# Allegro board Notecarrier-A PCB v2.0.brd
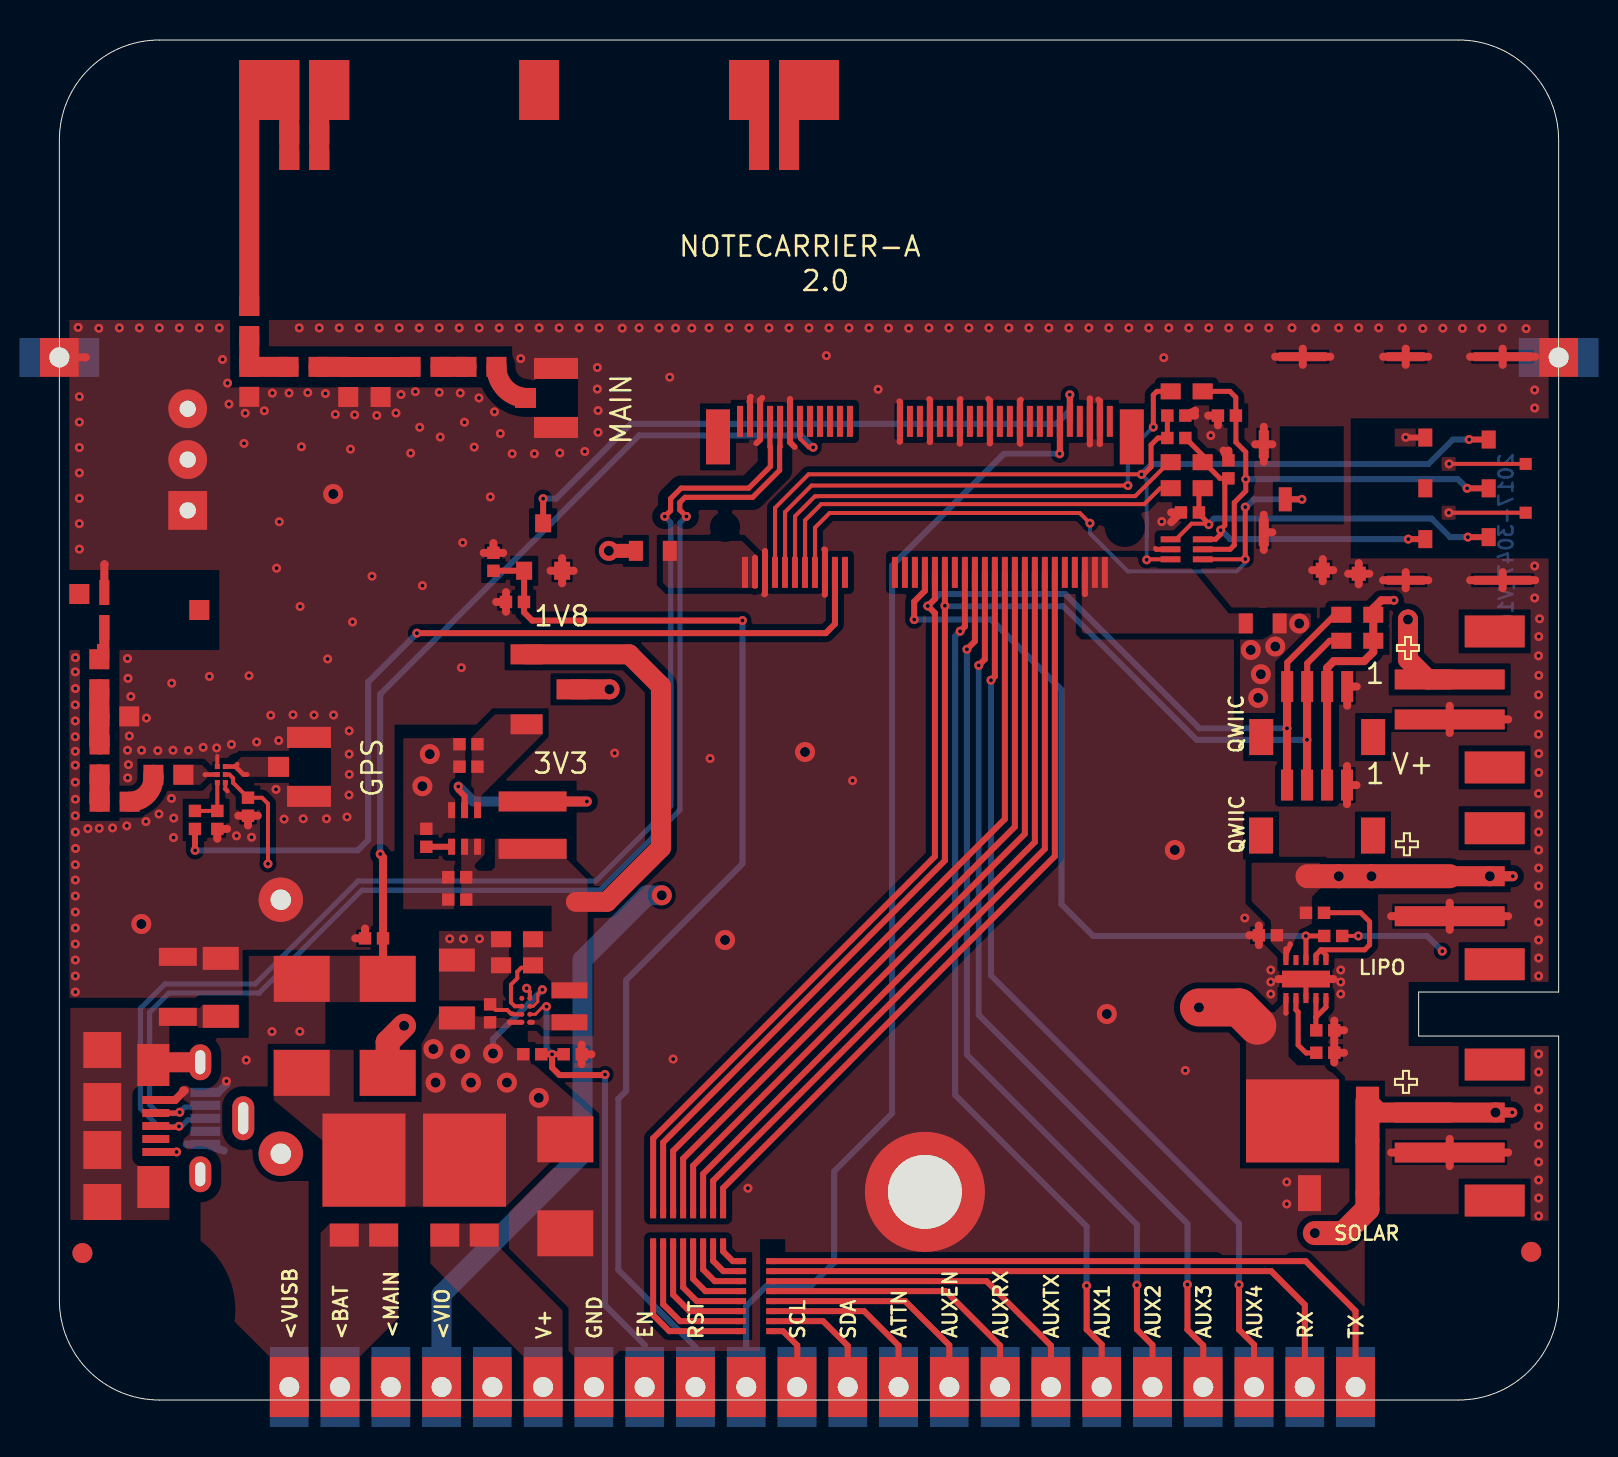
[diagram p0: board, top side]
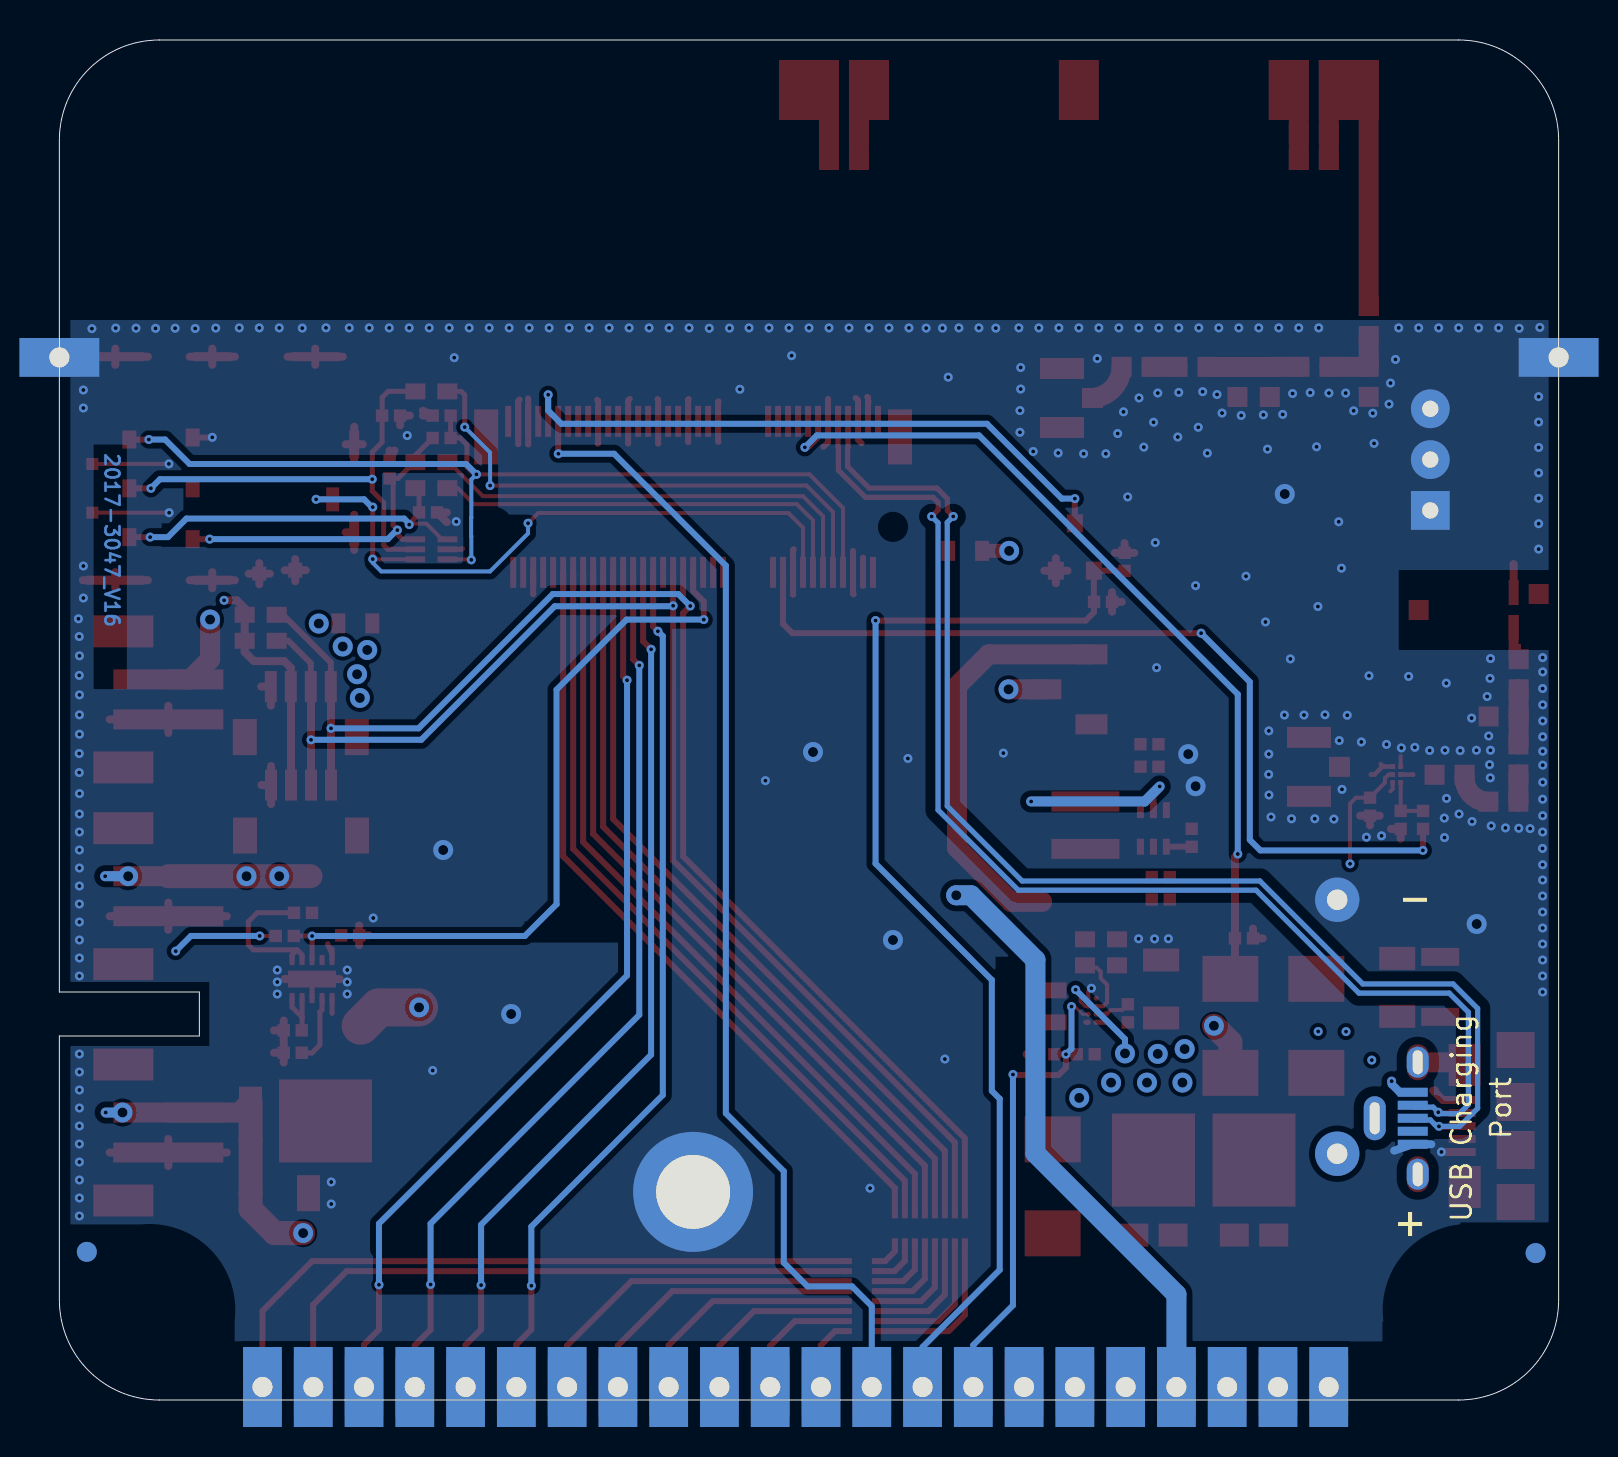
[diagram p1: board, bottom side, seen from below]

Outline 75 x 68 mm; copper layers: TOP, GND, POWER, BOTTOM. Coordinates in mm from the lower left corner of the outline.
Outline path: 0,63 arc(1.46,66.54) 5,68 70,68 arc(73.54,66.54) 75,63 75,20.4 68,20.4 68,18.2 75,18.2 75,5 arc(73.54,1.46) 70,0 5,0 arc(1.46,1.46) 0,5 0,63

## Design rules (mm)
constraint set DEFAULT: pair gap 0.2
net group USB_CON_EXT_90: nets USB_DM USB_DP
nets with their own width: min track width 1; nets GPS_50 GPS_50_A GPS_50_B GPS_50_C GPS_50_D GPS_50_E LTE_50 LTE_50_A LTE_50_B LTE_50_C LTE_50_D

## Placement (name value [footprint] x y rotation side)
ANT1  NN03-310  [ANT-NN03310-LTE]  24 65.5 0 top
ANT2  NN03-320  [ANT-NN03320-GPS]  4 39.5 90 top
BAT1  NU  [BATHLD-2464-NO_MECH]  37.48 27.24 180 bottom
C1  47u/16V-X5R  [CS-C-1206]  19.89 20.6 90 top
C2  4.7u/6.3V-X5R  [CS-C-0402]  21.55 19.33 90 top
C3  10u/10V-X5R  [CS-C-0603]  22.89 21.73 180 top
C4  10u/10V-X5R  [CS-C-0603]  22.89 23.04 180 top
C5  100n/16V  [CS-C-0402]  25.68 17.29 0 top
C6  100n/16V  [CS-C-0402]  20.46 32.79 180 top
C7  10u/6.3V-X5R  [CS-C-0402]  20.46 31.67 180 top
C8  10u/6.3V-X5R  [CS-C-0402]  19.9 25.02 180 top
C9  100n/16V  [CS-C-0402]  19.9 26.14 180 top
C10  100n/16V  [CS-C-0402]  15.74 23.08 180 top
C11  10n/1kV  [CS-C-1206]  8.07 20.68 90 top
C12  10u/25V-X5R  [CS-C-1206]  63.94 10.34 180 top
C13  1u/16V-X5R  [CS-C-0402]  60.46 23.24 180 top
C16  100n/16V  [CS-C-0402]  55.88 49.22 0 top
C17  33p/50V-C0G  [CS-C-0402]  58.41 49.22 180 top
C18  33p/50V-C0G  [CS-C-0402]  56.56 44.38 180 top
C19  33p/50V-C0G  [CS-C-0402]  58.48 46.53 90 top
C21  1n/50V  [FRACTUS-0404]  2.76 29.92 180 top
C22  1u/16V-X5R  [CS-C-0402]  9.44 29.66 270 top
C23  100n/16V  [CS-C-0402]  22.79 39.9 180 top
C25  0.5p/50V-C0G  [FRACTUS-0404]  12.25 62 180 top
C26  1p/50V-C0G  [FRACTUS-0404]  14.45 50.9 270 top
C27  2.2p/50V-C0G  [FRACTUS-0404]  12.21 51.66 0 top
C28  4.6p/50V-C0G  [FRACTUS-0404]  2.75 34.18 0 top
C29  1.1p/50V-C0G  [FRACTUS-0404]  2 36.29 90 top
DS2  FSV1045V  [TO277-3]  20.27 11 0 top
DS3  FSV1045V  [TO277-3]  15.24 11 0 top
DS4  STPS3H100U  [SMB]  12.12 16.36 90 top
DS5  STPS3H100U  [SMB]  16.42 16.36 90 top
DS6  FSV1045V  [TO277-3]  62.69 13.96 90 top
F1  SF-0603F150-2  [FS-0603]  29.69 42.46 0 top
F2  3.5A/32V  [FS-0603]  60.2 38.83 180 top
FID1  TPS  [FIDUCIAL]  1.15 7.35 0 top
FID2  TPS  [FIDUCIAL]  73.63 7.41 0 top
FID3  TPS  [FIDUCIAL]  1.15 7.35 270 bottom
FID4  TPS  [FIDUCIAL]  73.63 7.41 270 bottom
J2  NU  [J-5-0065-FDS-UUSB1051330001]  7.05 14.09 270 bottom
J3  B2B-PH-SM4-TBT(LF)(SN)  [J-2-0200-MDS-B2B-PH-SM4]  69.55 11.37 270 top
J4  B2B-PH-SM4-TBT(LF)(SN)  [J-2-0200-MDS-B2B-PH-SM4]  69.55 23.19 270 top
J5  NanoSIM - SF72S006VBAR2500  [J-NANOSIM-SF72S006VBA]  61.33 45.03 90 top
J6  MDT420E01001  [J-75-0050-MOS-M2-E]  43.3 43.66 0 top
J7  uFL-R-SMT-1-10  [J-3-MDS-UFL]  24.84 50.1 270 top
J8  uFL-R-SMT-1-10  [J-3-MDS-UFL]  12.49 31.66 270 top
J9  12734  [J-22-0254-FDT-H0508_EDGE]  38.17 1.3 0 top
J10  00711  [J-3-0254-FDT-H0508]  6.42 47.02 90 top
J11  10118192-0002LF  [J-5-0065-FOS-USB10118192-NOF]  4.7 13.7 270 top
J12  B2B-PH-SM4-TBT(LF)(SN)  [J-2-0200-MDS-B2B-PH-SM4]  69.55 33.03 270 top
J13  BM04B-SRSS-TBT  [J-4-0100-MDS-SH]  64.41 30.75 180 top
J14  BM04B-SRSS-TBT  [J-4-0100-MDS-SH]  64.42 35.67 180 top
L1  XFL4020-222MEC  [LS-XFL4020]  23.67 28.74 270 top
L2  1285AS-H-2R2M=P2  [LS-0806]  25.52 19.68 90 top
L5  LQW15AN7N5H00D  [FRACTUS-0404]  5.45 31.26 180 top
L6  LQW18AN12NG80  [FRACTUS-0404]  12.25 63.32 0 top
L7  LQW18AN10NG80D  [FRACTUS-0404]  16.07 50.9 270 top
L8  LQW18AN8N4G80D  [FRACTUS-0404]  9.5 50.91 270 top
L9  LQW15AN2N3G80D  [FRACTUS-0404]  9.5 53.95 90 top
NOREF  -  [unnamed]  4.5 63.5 0 top
NOREF#2  -  [#2]  69.55 34.03 90 top
NOREF#3  -  [#2]  13.16 9.67 90 top
NOREF#4  -  [#2]  9 52.7 90 top
NOREF#5  -  [#2]  57.69 50.03 90 top
NOREF#6  -  [#2]  41.45 10.41 0 top
NOREF#7  -  [#2]  59.52 32.25 0 top
NOREF#8  -  [#2]  63.38 46.36 0 top
NOREF#9  -  [#2]  13.95 51.15 90 top
NOREF#10  -  [#2]  20.27 11 90 top
NOREF#11  -  [#2]  63.11 9.44 90 top
NOREF#12  -  [#2]  11.54 32.76 0 top
NOREF#13  -  [#2]  20.27 29.49 0 top
NOREF#14  -  [#2]  13.95 50.65 0 top
NOREF#15  -  [#2]  35.5 62.5 0 top
NOREF#16  -  [#2]  0 58.58 0 top
NOREF#17  -  [#2]  59.51 27.32 0 top
NOREF#18  -  [#2]  22.02 41.15 90 top
NOREF#19  -  [#2]  57.05 38.06 90 top
NOREF#20  -  [#2]  8.65 21.18 90 top
NOREF#21  -  [#2]  3.01 29.42 90 top
NOREF#22  -  [#2]  5.8 14.5 0 top
NOREF#23  -  [#2]  4.2 31.76 0 top
NOREF#24  -  [#2]  9 51.16 0 top
NOREF#25  -  [#2]  68.33 48.12 0 top
NOREF#26  -  [#2]  68.68 32.71 90 top
NOREF#27  -  [#2]  61.72 34.9 90 top
NOREF#28  -  [#2]  68.68 32.71 90 top
NOREF#29  -  [#2]  57.2 42.53 90 top
NOREF#30  -  [#2]  71.5 43.14 90 top
NOREF#31  -  [#2]  13.44 32.76 0 top
NOREF#32  -  [#2]  68.83 4.5 0 top
NOREF#33  -  [#2]  55.74 47.79 90 top
NOREF#34  -  [#2]  57.69 45.19 90 top
NOREF#35  -  [#2]  64.12 34.9 0 top
NOREF#36  -  [#2]  15.29 23.08 0 top
NOREF#37  -  [#2]  56.69 47.29 0 top
NOREF#38  -  [#2]  61.69 12.96 90 top
NOREF#39  -  [#2]  64.48 22.89 90 top
NOREF#40  -  [#2]  18.36 27.66 90 top
NOREF#41  -  [#2]  53.05 49.53 0 top
NOREF#42  -  [#2]  -0.97 50.13 0 top
NOREF#43  -  [#2]  7.05 11.29 90 top
NOREF#44  -  [#2]  63.35 37.78 90 top
NOREF#45  -  [#2]  70.05 9.62 90 top
NOREF#46  -  [#2]  8.56 47.02 0 top
NOREF#47  -  [#2]  70.05 31.28 90 top
NOREF#48  -  [#2]  7.9 28.55 90 top
NOREF#49  -  [#2]  22.09 21.73 0 top
NOREF#50  -  [#2]  7.3 14.74 90 top
NOREF#51  -  [#2]  21.59 23.43 0 top
NOREF#52  -  [#2]  74.5 52.13 0 top
NOREF#53  -  [#2]  48.55 48.93 0 top
NOREF#54  -  [#2]  55.59 45.59 0 top
NOREF#55  -  [#2]  69.42 32.25 90 top
NOREF#56  -  [#2]  60.73 44.71 90 top
NOREF#57  -  [#2]  1.51 30.42 0 top
NOREF#58  -  [#2]  3.2 13.15 90 top
NOREF#59  -  [#2]  60.25 43.38 0 top
NOREF#60  -  [#2]  68.23 32.71 0 top
NOREF#61  -  [#2]  9 50.66 0 top
NOREF#62  -  [#2]  34.5 61.5 90 top
NOREF#63  -  [#2]  60.32 22.93 90 top
NOREF#64  -  [#2]  65.23 39.66 0 top
NOREF#65  -  [#2]  57.05 32.71 90 top
NOREF#66  -  [#2]  63.19 17.05 90 top
NOREF#67  -  [#2]  62.57 17.67 0 top
NOREF#68  -  [#2]  8.07 19.18 90 top
NOREF#69  -  [#2]  28.49 41.96 0 top
NOREF#70  -  [#2]  65.44 12.97 90 top
NOREF#71  -  [#2]  18.56 7.67 90 top
NOREF#72  -  [#2]  5.47 18.21 90 top
NOREF#73  -  [#2]  69.05 31.28 0 top
NOREF#74  -  [#2]  68.68 32.71 90 top
NOREF#75  -  [#2]  22.03 40.21 0 top
NOREF#76  -  [#2]  70 0 90 top
NOREF#77  -  [#2]  4.5 4.5 0 top
NOREF#78  -  [#2]  66.23 37.56 90 top
NOREF#79  -  [#2]  20.46 21.1 90 top
NOREF#80  -  [#2]  58.17 47.29 0 top
NOREF#81  -  [#2]  15.6 22.77 90 top
NOREF#82  -  [#2]  61.69 12.96 90 top
NOREF#83  -  [#2]  63.35 27.94 90 top
NOREF#84  -  [#2]  7.05 11.29 90 top
NOREF#85  -  [#2]  70.05 21.44 90 top
NOREF#86  -  [#2]  33.05 7.58 0 top
NOREF#87  -  [#2]  30.89 41.96 90 top
NOREF#88  -  [#2]  10.96 51.16 0 top
NOREF#89  -  [#2]  4.45 10.2 0 top
NOREF#90  -  [#2]  0.6 12.9 90 top
NOREF#91  -  [#2]  19.45 26.14 0 top
NOREF#92  -  [#2]  7.05 11.69 90 top
NOREF#93  -  [#2]  64.13 37.96 0 top
NOREF#94  -  [#2]  68.68 38.06 90 top
NOREF#95  -  [#2]  6.47 28.86 0 top
NOREF#96  -  [#2]  56.42 44.07 90 top
NOREF#97  -  [#2]  62.67 24.05 90 top
NOREF#98  -  [#2]  2.83 4.5 0 top
NOREF#99  -  [#2]  57.05 32.71 90 top
NOREF#100  -  [#2]  20.32 31.36 90 top
NOREF#101  -  [#2]  37.48 26.73 90 top
NOREF#102  -  [#2]  58.98 46.36 0 top
NOREF#103  -  [#2]  63.36 20.1 90 top
NOREF#104  -  [#2]  59.52 32.25 0 top
NOREF#105  -  [#2]  34.5 62.82 90 top
NOREF#106  -  [#2]  34.5 61.5 0 top
NOREF#107  -  [#2]  61.4 38.33 90 top
NOREF#108  -  [#2]  57.41 42.81 90 top
NOREF#109  -  [#2]  9.4 9.7 90 top
NOREF#110  -  [#2]  10.97 14.96 90 top
NOREF#111  -  [#2]  59.7 39.33 0 top
NOREF#112  -  [#2]  14.25 8.25 0 top
NOREF#113  -  [#2]  63.35 16.12 90 top
NOREF#114  -  [#2]  11.99 29.61 0 top
NOREF#115  -  [#2]  12.12 16.36 90 top
NOREF#116  -  [#2]  71 27.09 0 top
NOREF#117  -  [#2]  6.42 44.48 90 top
NOREF#118  -  [#2]  71.5 45.58 90 top
NOREF#119  -  [unnamed]  70.5 63.5 0 top
NOREF#120  -  [#2]  23.13 18.89 0 top
NOREF#121  -  [#2]  0 10.2 0 top
NOREF#122  -  [#2]  56.69 50.83 0 top
NOREF#123  -  [#2]  64.71 12.4 0 top
NOREF#124  -  [#2]  8.12 14.59 0 top
NOREF#125  -  [#2]  60.71 27.32 90 top
NOREF#126  -  [#2]  19.76 25.83 90 top
NOREF#127  -  [#2]  57.05 32.71 90 top
NOREF#128  -  [#2]  23.54 19.96 90 top
NOREF#129  -  [#2]  12.5 61.5 0 top
NOREF#130  -  [#2]  13.95 51.15 0 top
NOREF#131  -  [#2]  16.22 8.25 90 top
NOREF#132  -  [#2]  35.5 63.82 0 top
NOREF#133  -  [#2]  18.05 27.97 0 top
NOREF#134  -  [#2]  29.55 9.08 90 top
NOREF#135  -  [#2]  26.72 18.79 90 top
NOREF#136  -  [#2]  6.25 11.94 0 top
NOREF#137  -  [#2]  15.57 51.15 90 top
NOREF#138  -  [#2]  13.16 14.32 0 top
NOREF#139  -  [unnamed]  70.5 4.5 0 top
NOREF#140  -  [#2]  26.44 16.98 90 top
NOREF#141  -  [#2]  21.71 41.46 90 top
NOREF#142  -  [#2]  63.27 23.2 0 top
NOREF#143  -  [#2]  21.55 18.88 90 top
NOREF#144  -  [#2]  5.7 30.76 0 top
NOREF#145  -  [#2]  68.85 63.49 0 top
NOREF#146  -  [#2]  55.43 49.22 0 top
NOREF#147  -  [#2]  29.7 7.83 90 top
NOREF#148  -  [#2]  23.25 41.46 0 top
NOREF#149  -  [#2]  14.98 23.39 0 top
NOREF#150  -  [#2]  62.78 19.85 90 top
NOREF#151  -  [#2]  12.5 67 0 top
NOREF#152  -  [#2]  65.23 38.36 0 top
NOREF#153  -  [#2]  19.28 8.25 0 top
NOREF#154  -  [#2]  15.57 51.15 0 top
NOREF#155  -  [#2]  29.7 7.83 0 top
NOREF#156  -  [#2]  33.95 3.19 90 top
NOREF#157  -  [#2]  60.73 45.36 0 top
NOREF#158  -  [#2]  23.19 22.64 90 top
NOREF#159  -  [#2]  19.31 18.2 0 top
NOREF#160  -  [#2]  11 62.82 90 top
NOREF#161  -  [#2]  63.35 37.78 90 top
NOREF#162  -  [#2]  57.65 49.53 0 top
NOREF#163  -  [#2]  54.25 46.78 90 top
NOREF#164  -  [#2]  57.5 32.71 0 top
NOREF#165  -  [#2]  34.5 62.82 0 top
NOREF#166  -  [#2]  24.34 49.1 90 top
NOREF#167  -  [#2]  60.25 47.78 0 top
NOREF#168  -  [#2]  2.5 34.68 0 top
NOREF#169  -  [#2]  3.01 29.42 0 top
NOREF#170  -  [#2]  68.83 63.5 0 top
NOREF#171  -  [#2]  15.27 17.76 0 top
NOREF#172  -  [#2]  7.59 29.76 0 top
NOREF#173  -  [#2]  63.35 27.94 90 top
NOREF#174  -  [#2]  9 67 0 top
NOREF#175  -  [#2]  19.7 33.1 0 top
NOREF#176  -  [#2]  1.51 30.78 0 top
NOREF#177  -  [#2]  71 27.09 90 top
NOREF#178  -  [#2]  62.05 24.67 0 top
NOREF#179  -  [#2]  1.51 33.28 0 top
NOREF#180  -  [#2]  40.3 10.41 0 top
NOREF#181  -  [#2]  2.88 40.12 90 top
NOREF#182  -  [#2]  37 67 0 top
NOREF#183  -  [#2]  64.86 9.44 0 top
NOREF#184  -  [#2]  43.3 41.38 0 top
NOREF#185  -  [#2]  29.7 7.83 0 top
NOREF#186  -  [#2]  17.07 52.16 0 top
NOREF#187  -  [#2]  1.5 33.68 0 top
NOREF#188  -  [#2]  7.05 11.29 90 top
NOREF#189  -  [#2]  23.37 33.78 90 top
NOREF#190  -  [#2]  1.5 35.04 90 top
NOREF#191  -  [#2]  1.51 30.78 90 top
NOREF#192  -  [#2]  64.13 39.26 0 top
NOREF#193  -  [#2]  62.8 32.71 0 top
NOREF#194  -  [#2]  24.16 14.44 0 top
NOREF#195  -  [#2]  21.59 22.14 0 top
NOREF#196  -  [#2]  25 67 0 top
NOREF#197  -  [#2]  21.37 51.16 90 top
NOREF#198  -  [#2]  5.7 30.76 90 top
NOREF#199  -  [#2]  4.83 14.35 90 top
NOREF#200  -  [#2]  66.23 38.86 90 top
NOREF#201  -  [#2]  22.9 17.6 0 top
NOREF#202  -  [#2]  55.59 50.43 0 top
NOREF#203  -  [#2]  0 10.2 90 top
NOREF#204  -  [#2]  68.68 32.71 90 top
NOREF#205  -  [#2]  57.41 43.51 0 top
NOREF#206  -  [#2]  61.33 45.03 0 top
NOREF#207  -  [#2]  71 36.93 0 top
NOREF#208  -  [#2]  33.9 48.16 90 top
NOREF#209  -  [#2]  11 62.82 0 top
NOREF#210  -  [#2]  7.05 16.89 0 top
NOREF#211  -  [#2]  24.16 11.64 90 top
NOREF#212  -  [#2]  9.25 14.09 0 top
NOREF#213  -  [#2]  55.43 48.1 0 top
NOREF#214  -  [#2]  1.5 40.8 0 top
NOREF#215  -  [#2]  73.35 44.36 90 top
NOREF#216  -  [#2]  11.99 30.66 90 top
NOREF#217  -  [#2]  63.19 18.17 90 top
NOREF#218  -  [#2]  33.3 43.66 0 top
NOREF#219  -  [#2]  33.3 43.66 90 top
NOREF#220  -  [#2]  55.59 46.89 0 top
NOREF#221  -  [#2]  19.14 25.33 0 top
NOREF#222  -  [#2]  15.24 11 90 top
NOREF#223  -  [#2]  9 52.7 0 top
NOREF#224  -  [#2]  9.44 29.21 90 top
NOREF#225  -  [#2]  56.11 44.38 0 top
NOREF#226  -  [#2]  60.01 23.24 0 top
NOREF#227  -  [#2]  9 55.2 0 top
NOREF#228  -  [#2]  24.34 48.05 0 top
NOREF#229  -  [#2]  0 10.2 0 top
NOREF#230  -  [#2]  63.11 19.97 0 top
NOREF#231  -  [#2]  19.45 25.02 0 top
NOREF#232  -  [#2]  58.48 46.08 90 top
NOREF#233  -  [#2]  63.86 23.51 0 top
NOREF#234  -  [#2]  1.5 37.54 0 top
NOREF#235  -  [#2]  64.86 37.68 90 top
NOREF#236  -  [#2]  32.95 48.16 0 top
NOREF#237  -  [#2]  15.27 14.96 90 top
NOREF#238  -  [#2]  34.3 41.38 90 top
NOREF#239  -  [#2]  14.5 67 0 top
NOREF#240  -  [#2]  57.96 49.22 0 top
NOREF#241  -  [#2]  24.32 50.48 0 top
NOREF#242  -  [#2]  29.19 42.96 0 top
NOREF#243  -  [#2]  24.32 18.79 0 top
NOREF#244  -  [#2]  36.15 40.61 0 top
NOREF#245  -  [#2]  23.25 41.46 0 top
NOREF#246  -  [#2]  57.05 42.54 90 top
NOREF#247  -  [#2]  59 38.33 0 top
NOREF#248  -  [#2]  1.62 38.88 0 top
NOREF#249  -  [#2]  20.92 27.66 90 top
NOREF#250  -  [#2]  60.72 34.05 90 top
NOREF#251  -  [#2]  69.41 27.32 90 top
NOREF#252  -  [#2]  21.24 20.09 0 top
NOREF#253  -  [#2]  25.23 17.29 0 top
NOREF#254  -  [#2]  9 64 90 top
NOREF#255  -  [#2]  18.57 51.16 0 top
NOREF#256  -  [#2]  35.5 67 0 top
NOREF#257  -  [#2]  59.61 11.63 90 top
NOREF#258  -  [#2]  19.89 19.1 90 top
NOREF#259  -  [#2]  1.5 33.68 90 top
NOREF#260  -  [#2]  53.3 42.86 90 top
NOREF#261  -  [#2]  24.7 41.86 0 top
NOREF#262  -  [#2]  12.5 61.5 90 top
NOREF#263  -  [#2]  64.11 29.97 0 top
NOREF#264  -  [#2]  34.3 41.38 0 top
NOREF#265  -  [#2]  5.47 23.11 0 top
NOREF#266  -  [#2]  61.41 30.75 0 top
NOREF#267  -  [#2]  24.02 35.88 90 top
NOREF#268  -  [#2]  22.65 39.59 90 top
NOREF#269  -  [#2]  34.05 48.93 0 top
NOREF#270  -  [#2]  34.05 48.93 0 top
NOREF#271  -  [#2]  57.35 41.54 90 top
NOREF#272  -  [#2]  35.6 3.44 90 top
NOREF#273  -  [#2]  34.3 41.38 0 top
NOREF#274  -  [#2]  26.84 49 90 top
NOREF#275  -  [#2]  25.31 8.34 90 top
NOREF#276  -  [#2]  20.02 27.49 90 top
NOREF#277  -  [#2]  24.17 25.86 90 top
NOREF#278  -  [#2]  69.55 26.19 0 top
NOREF#279  -  [#2]  -0.5 52.13 0 top
NOREF#280  -  [#2]  2.55 10.2 0 top
NOREF#281  -  [#2]  23.13 19.69 90 top
NOREF#282  -  [#2]  7.09 28.24 90 top
NOREF#283  -  [#2]  8.21 29.14 90 top
NOREF#284  -  [#2]  63.39 32.71 90 top
NOREF#285  -  [#2]  56.64 48.91 90 top
NOREF#286  -  [#2]  61.36 22 0 top
NOREF#287  -  [#2]  9.75 28.9 90 top
NOREF#288  -  [#2]  60.72 32.25 90 top
NOREF#289  -  [#2]  69.55 12.37 90 top
NOREF#290  -  [#2]  62.86 20.1 0 top
NOREF#291  -  [#2]  6.7 14.5 0 top
NOREF#292  -  [#2]  15.57 50.65 0 top
NOREF#293  -  [#2]  21.25 8.25 90 top
NOREF#294  -  [#2]  58.79 46.67 90 top
NOREF#295  -  [#2]  23.21 17.29 0 top
NOREF#296  -  [#2]  62.36 24.36 0 top
NOREF#297  -  [#2]  11.96 52.16 0 top
NOREF#298  -  [#2]  23.75 43.43 90 top
NOREF#299  -  [#2]  69.05 21.44 0 top
NOREF#300  -  [#2]  18.19 14.32 0 top
NOREF#301  -  [#2]  6.5 39 0 top
NOREF#302  -  [#2]  23.52 16.98 90 top
NOREF#303  -  [#2]  11.08 12.31 90 top
NOREF#304  -  [#2]  11 62.5 0 top
NOREF#305  -  [#2]  7.9 31.67 0 top
NOREF#306  -  [#2]  64.71 12.4 90 top
NOREF#307  -  [#2]  57.05 32.71 90 top
NOREF#308  -  [#2]  2.83 63.5 0 top
NOREF#309  -  [#2]  62.57 18.79 0 top
NOREF#310  -  [#2]  21.86 19.47 90 top
NOREF#311  -  [#2]  21.4 41.77 0 top
NOREF#312  -  [#2]  13.53 7.67 0 top
NOREF#313  -  [#2]  7.9 31.27 90 top
NOREF#314  -  [#2]  61.36 20.1 90 top
NOREF#315  -  [#2]  7.5 18.28 0 top
NOREF#316  -  [#2]  33.3 43.66 90 top
NOREF#317  -  [#2]  19.7 31.98 0 top
NOREF#318  -  [#2]  20.01 32.79 0 top
NOREF#319  -  [#2]  60.71 29.12 90 top
NOREF#320  -  [#2]  34.25 6.69 90 top
NOREF#321  -  [#2]  18.56 7.67 0 top
NOREF#322  -  [unnamed]  4.5 4.5 0 top
NOREF#323  -  [#2]  57.05 32.71 90 top
NOREF#324  -  [#2]  33.3 43.11 90 top
NOREF#325  -  [#2]  68.68 42.96 90 top
NOREF#326  -  [#2]  38.8 41.38 0 top
NOREF#327  -  [#2]  -0.97 50.13 90 top
NOREF#328  -  [#2]  10.97 17.76 0 top
NOREF#329  -  [#2]  1.5 35.04 0 top
NOREF#330  -  [#2]  62.88 17.36 0 top
NOREF#331  -  [#2]  71 15.27 90 top
NOREF#332  -  [#2]  16.42 16.36 90 top
NOREF#333  -  [#2]  19.14 26.45 0 top
NOREF#334  -  [#2]  55.12 48.41 0 top
NOREF#335  -  [#2]  33.35 8.08 90 top
NOREF#336  -  [#2]  8.38 31.6 0 top
NOREF#337  -  [#2]  35.45 6.69 0 top
NOREF#338  -  [#2]  58.98 34.51 0 top
NOREF#339  -  [#2]  55.8 44.69 0 top
NOREF#340  -  [#2]  9 51.16 90 top
NOREF#341  -  [#2]  58.27 48.91 90 top
NOREF#342  -  [#2]  11.96 32.03 0 top
NOREF#343  -  [#2]  62.54 10.34 0 top
NOREF#344  -  [#2]  68.68 32.71 90 top
NOREF#345  -  [#2]  2.15 9.9 90 top
NOREF#346  -  [#2]  19.87 52.16 0 top
NOREF#347  -  [#2]  68.68 32.71 90 top
NOREF#348  -  [#2]  61.42 35.67 0 top
NOREF#349  -  [#2]  7.5 39 90 top
NOREF#350  -  [#2]  20.01 31.67 0 top
NOREF#351  -  [#2]  14.49 30.56 90 top
NOREF#352  -  [#2]  6.78 28.55 90 top
NOREF#353  -  [#2]  33.35 8.08 90 top
NOREF#354  -  [#2]  22.09 23.04 0 top
NOREF#355  -  [#2]  18.57 51.16 90 top
NOREF#356  -  [#2]  62.2 52.16 0 top
NOREF#357  -  [#2]  11.5 0.65 0 top
NOREF#358  -  [#2]  9.13 29.52 0 top
NOREF#359  -  [#2]  35.6 3.44 90 top
NOREF#360  -  [#2]  9 67 0 top
NOREF#361  -  [#2]  62.88 18.48 0 top
NOREF#362  -  [#2]  61.11 19.97 90 top
NOREF#363  -  [#2]  69.55 36.03 0 top
NOREF#364  -  [#2]  8.57 13.09 90 top
NOREF#365  -  [#2]  71 36.93 90 top
NOREF#366  -  [#2]  10.96 51.16 90 top
NOREF#367  -  [#2]  12 63.82 0 top
NOREF#368  -  [#2]  12 67 0 top
NOREF#369  -  [#2]  60.51 29.12 0 top
NOREF#370  -  [#2]  50.9 49.71 0 top
NOREF#371  -  [#2]  23.67 27.56 90 top
NOREF#372  -  [#2]  56.69 45.99 0 top
NOREF#373  -  [#2]  58.16 43.51 0 top
NOREF#374  -  [#2]  60.52 34.05 0 top
NOREF#375  -  [#2]  57.05 32.71 0 top
NOREF#376  -  [#2]  -94.91 -111.07 0 top
NOREF#377  -  [#2]  23.17 25.86 0 top
NOREF#378  -  [#2]  74.03 50.13 90 top
NOREF#379  -  [#2]  68.33 43.04 0 top
NOREF#380  -  [#2]  59.51 27.32 0 top
NOREF#381  -  [#2]  23.19 21.34 90 top
NOREF#382  -  [#2]  23.89 51.2 0 top
NOREF#383  -  [#2]  56.02 49.53 0 top
NOREF#384  -  [#2]  21.37 51.16 0 top
NOREF#385  -  [#2]  8.63 31.35 90 top
NOREF#386  -  [#2]  71 15.27 0 top
NOREF#387  -  [#2]  23.87 34.58 90 top
NOREF#388  -  [#2]  4.5 4.5 90 top
NOREF#389  -  [#2]  1.62 38.88 90 top
NOREF#390  -  [#2]  25.92 20.59 0 top
NOREF#391  -  [#2]  69.05 9.62 0 top
NOREF#392  -  [#2]  25.82 17.6 0 top
NOREF#393  -  [#2]  61.94 22.25 0 top
NOREF#394  -  [#2]  74.03 50.13 0 top
NOREF#395  -  [#2]  5.92 19.16 90 top
NOREF#396  -  [#2]  59.7 23.55 0 top
NOREF#397  -  [#2]  55.44 42.54 0 top
NOREF#398  -  [#2]  34.1 3.44 0 top
NOREF#399  -  [#2]  64.78 45.86 90 top
NOREF#400  -  [#2]  63.35 16.12 90 top
NOREF#401  -  [#2]  18.67 27.35 90 top
NOREF#402  -  [#2]  69.55 24.19 90 top
NOREF#403  -  [#2]  13.53 7.67 90 top
NOREF#404  -  [#2]  20.32 32.48 90 top
NOREF#405  -  [#2]  59.61 16.28 0 top
NOREF#406  -  [#2]  24.02 37.48 0 top
NOREF#407  -  [#2]  57.25 41.71 0 top
NOREF#408  -  [#2]  24.34 48.05 90 top
NOREF#409  -  [#2]  69.55 14.37 0 top
NOREF#410  -  [#2]  19.22 29.32 0 top
NOREF#411  -  [#2]  11.99 29.61 90 top
NOREF#412  -  [#2]  22.34 39.9 0 top
NOREF#413  -  [#2]  25.79 51.2 0 top
NOREF#414  -  [#2]  49.1 1.3 0 top
NOREF#415  -  [#2]  19.76 24.71 90 top
NOREF#416  -  [#2]  34.25 6.69 90 top
NOREF#417  -  [#2]  61.71 29.97 90 top
NOREF#418  -  [#2]  34.15 40.61 90 top
NOREF#419  -  [#2]  57.69 46.49 90 top
NOREF#420  -  [#2]  18.19 9.67 90 top
OBJ1  9774025151R  [DIST-WASMSIM0250]  43.3 10.41 270 top
PAD1  TPS  [PAD-THT-CAS-0100]  75 52.13 90 top
PAD2  TPS  [PAD-THT-CAS-0100]  0 52.13 90 top
Q1  AO3420  [SOT23]  23.25 41.46 270 top
R1  10M/5%  [RS-0402]  23.66 17.29 180 top
R4  82k  [RS-0402]  18.36 28.11 270 top
R5  1M  [RS-1206]  5.92 20.66 90 top
R6  NU  [RS-0402]  63.72 23.2 0 top
R8  10k  [RS-0402]  62.81 24.36 180 top
R9  470R  [RS-0402]  63.33 17.36 180 top
R10  10k  [RS-0402]  63.33 18.48 180 top
R12  22R  [RS-0603]  56.39 46.89 0 top
R14  22R  [RS-0603]  56.39 45.59 0 top
R15  22R  [RS-0603]  56.39 50.43 0 top
R16  15k  [RS-0402]  55.88 48.1 180 top
R18  200k  [RS-0402]  6.78 29 270 top
R21  1k  [RS-0402]  21.71 41.91 270 top
R22  100k  [RS-0402]  7.9 29 90 top
R25  0R  [FRACTUS-0404]  35.75 63.32 0 top
R26  NU  [FRACTUS-0404]  35.75 62 0 top
R27  0R  [FRACTUS-0404]  18.32 51.66 180 top
R28  0R  [FRACTUS-0404]  21.12 51.66 180 top
R29  0R  [FRACTUS-0404]  2.01 32.03 90 top
R30  NU  [RS-0603]  64.93 37.96 0 top
R31  NU  [RS-0603]  64.93 39.26 0 top
RR1  100R/5%  [RR-8X-1506]  34.85 5.19 90 top
RR2  100R/5%  [RR-8X-1506]  31.45 8.58 0 top
SW1  CJS-1200TA  [SW-CJS1200TA]  24.52 35.53 270 top
TVS1  SM6T6V8A  [SMB]  25.31 13.04 270 top
TVS2  ESDLC5V0M5-TP  [SOT666]  56.39 42.53 270 top
U1  TPS62748YFPT  [XFBGA8]  23.33 19.49 0 top